# Altium PCB DIO_MCX_mezzanine.PCBDOC (part 2 of 2)
Units mm, origin at the board's own origin, x right, y up, seen from the top; angles counter-clockwise.
Board outline 64 x 100 mm, 4 copper layers (L1, P2, P3, L4), stack 1.571 mm thick; 133 components, 65 nets, 406 pads, 156 vias.
Unrouted connection lines stored in the file: 1.
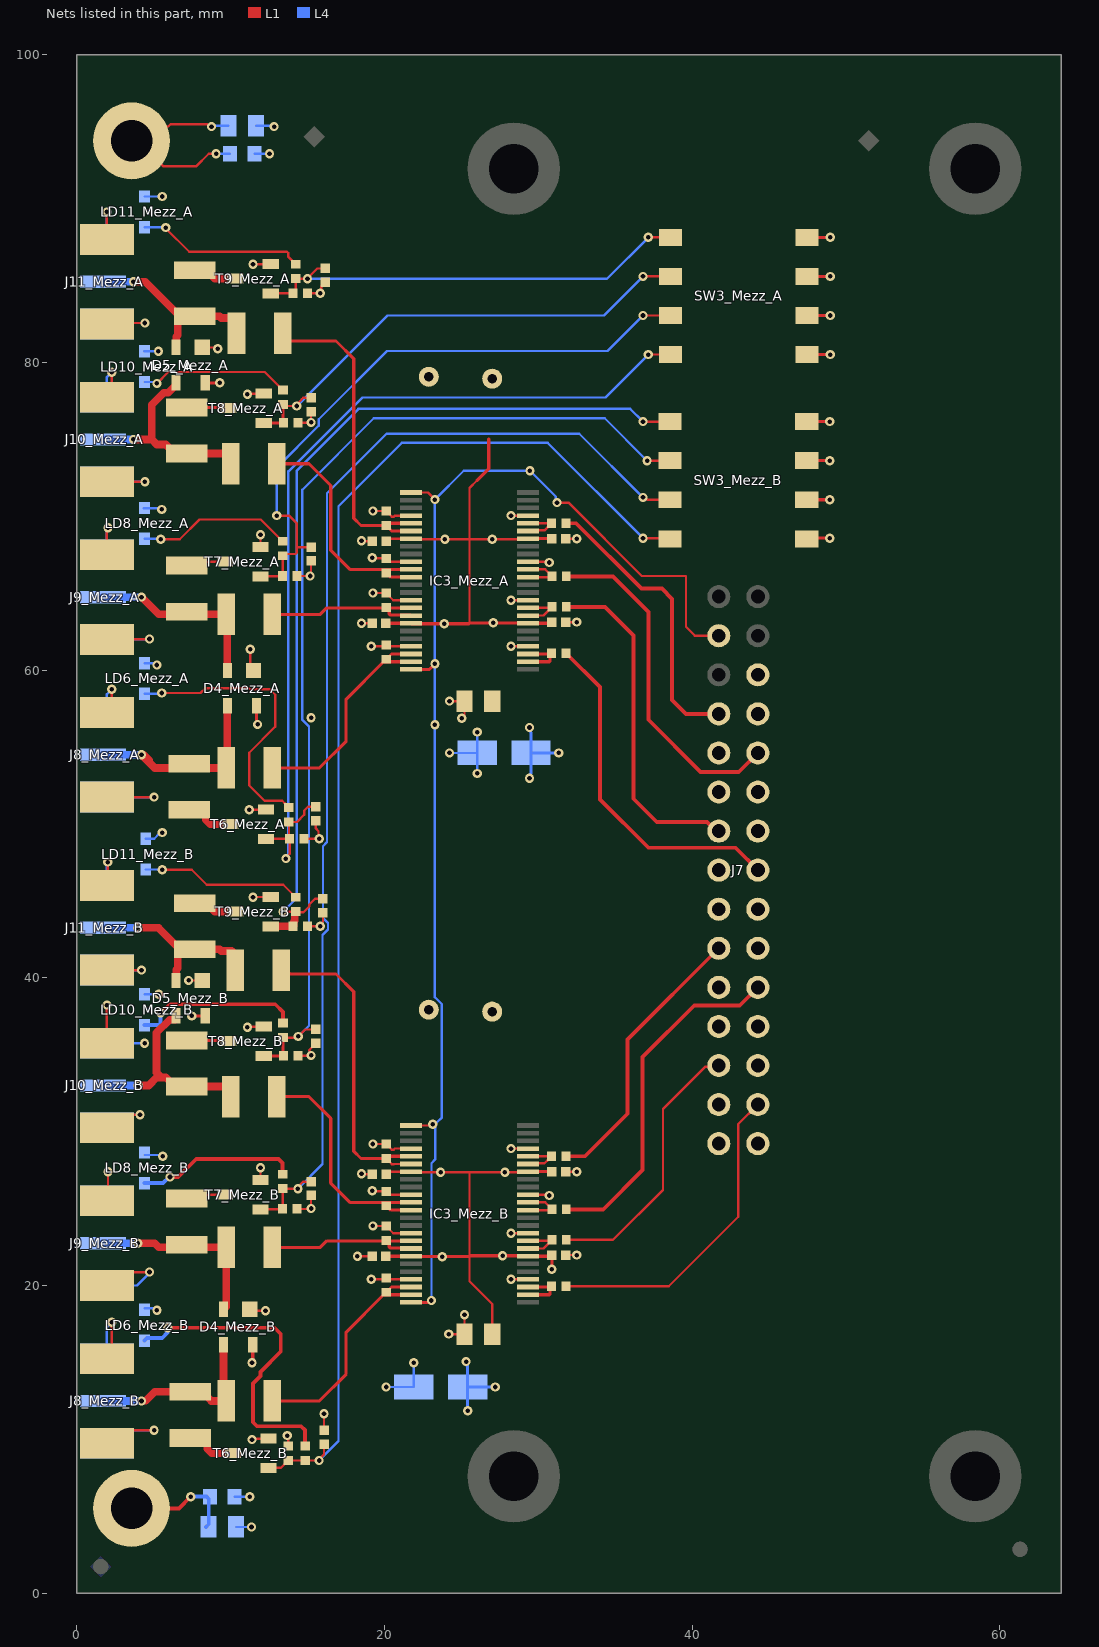
[diagram p4: the nets of this part, all layers, seen from the top]

## Via types
v1: diameter 0.6, hole 0.3, L1 to L4, tented both sides, 152 vias
v2: diameter 0.6, hole 0.3, L1 to L4, 4 vias

## Nets (pads, with @x,y where several pads share a name; then routed paths per layer and width w, separated by ;. In a path a pad name is that pad's centre, name@x,y a point inside that pad or via, vN(x,y) a via of type N, cw(c..) or ccw(c..) an arc to the next point about the centre after c; other vN are vias at no path point) (continued)
GND: B11_Mezz_A.1 B11_Mezz_B.1 C15_Mezz_A.1 C15_Mezz_B.1 C16_Mezz_A.1 C16_Mezz_B.1 C17_Mezz_A.1 C17_Mezz_B.1 C18_Mezz_A.1 C18_Mezz_B.1 C19_Mezz_A.2 C19_Mezz_B.2 C20_Mezz_A.1 C20_Mezz_B.1 C21.2 C22.2 C25_Mezz_A.1 C25_Mezz_B.1 C26_Mezz_A.1 C26_Mezz_B.1 C27_Mezz_A.1 C27_Mezz_B.1 C28_Mezz_A.1 C28_Mezz_B.1 D4_Mezz_A.1 D4_Mezz_B.1 D5_Mezz_A.1 D5_Mezz_B.1 IC3_Mezz_A.4 IC3_Mezz_A.10 IC3_Mezz_A.15 IC3_Mezz_A.21 IC3_Mezz_A.28 IC3_Mezz_A.34 IC3_Mezz_A.39 IC3_Mezz_A.45 IC3_Mezz_B.4 IC3_Mezz_B.10 IC3_Mezz_B.15 IC3_Mezz_B.21 IC3_Mezz_B.28 IC3_Mezz_B.34 IC3_Mezz_B.39 IC3_Mezz_B.45 J7.2 J7.4 J7.5 J7.7 J7.8 J7.10 J7.11 J7.13 J7.14 J7.16 J7.17 J7.19 J7.20 J7.22 J7.23 J8_Mezz_A.2 J8_Mezz_B.2 J9_Mezz_A.2 J9_Mezz_B.2 J10_Mezz_A.2 J10_Mezz_B.2 J11_Mezz_A.2 J11_Mezz_B.2 LD6_Mezz_A.1 LD6_Mezz_B.1 LD8_Mezz_A.1 LD8_Mezz_B.1 LD10_Mezz_A.1 LD10_Mezz_B.1 LD11_Mezz_A.1 LD11_Mezz_B.1 R39_Mezz_A.1 R39_Mezz_B.1 R43_Mezz_A.1 R43_Mezz_B.1 R48_Mezz_A.1 R48_Mezz_B.1 R51_Mezz_A.1 R51_Mezz_B.1 R56_Mezz_A.1 R56_Mezz_B.1 R57_Mezz_A.1 R57_Mezz_B.1 R58_Mezz_A.1 R58_Mezz_B.1 R59_Mezz_A.1 R59_Mezz_B.1 R60.1 R61.1 T6_Mezz_A.2 T6_Mezz_B.2 T7_Mezz_A.2 T7_Mezz_B.2 T8_Mezz_A.2 T8_Mezz_B.2 T9_Mezz_A.2 T9_Mezz_B.2 | length 159
  L1 w0.152: J10_Mezz_B.2@1.95,30.25 2.8,31.1 v1(4.1,31.1) ; J10_Mezz_B.2@1.95,36.6 v1(1.95,38.225) ; J11_Mezz_B.2@1.95,40.5 v1(4.203,40.5) ; J11_Mezz_B.2@1.95,46 2.007,46.057 v1(2.007,47.523) ; J9_Mezz_A.2@1.95,67.5 1.95,69.195 v1(2.019,69.264) ; J10_Mezz_A.2@1.95,77.75 2.269,78.069 v1(2.269,79.375) ; J11_Mezz_A.2@1.95,82.5 2.018,82.568 v1(4.419,82.568) ; J11_Mezz_A.2@1.95,88 v1(1.95,89.793) ; v1(2.019,27.4) 2.019,26.35 J9_Mezz_B.2@2.269,26.35 ; J8_Mezz_B.2@2.269,10.593 v1(5.019,10.593) ; J8_Mezz_B.2@2.269,16.093 v1(2.269,17.602) ; J9_Mezz_B.2@2.269,20.85 4.693,20.85 v1(4.719,20.876) ; J8_Mezz_A.2@2.269,51.75 v1(5.019,51.75) ; J8_Mezz_A.2@2.269,57.25 v1(2.269,58.759) ; J9_Mezz_A.2@2.269,62 4.693,62 v1(4.719,62.026) ; J10_Mezz_A.2@2.269,72.25 v1(4.419,72.25) ; v2(7.263,39.831) 7.269,39.825 D5_Mezz_B.1@8.15,39.825 ; D5_Mezz_A.1@8.15,80.981 9.069,80.981 v2(9.15,80.9) ; v1(11.083,36.781) 11.131,36.829 T8_Mezz_B.2@12.15,36.829 ; v1(11.083,77.931) 11.131,77.979 T8_Mezz_A.2@12.15,77.979 ; v1(11.2,50.926) 11.209,50.934 T6_Mezz_A.2@12.297,50.934 ; D4_Mezz_B.1@11.233,18.453 11.326,18.36 v2(12.263,18.36) ; v2(11.263,61.36) 11.263,60.203 D4_Mezz_A.1@11.485,59.981 ; v1(11.383,9.979) 11.447,10.043 T6_Mezz_B.2@12.453,10.043 ; v1(11.45,45.24) 11.46,45.25 T9_Mezz_B.2@12.6,45.25 ; v1(11.45,86.39) 11.46,86.4 T9_Mezz_A.2@12.6,86.4 ; T7_Mezz_B.2@11.933,26.85 v1(11.933,27.65) ; T7_Mezz_A.2@11.933,68 v1(11.933,68.8) ; v1(13.669,10.242) 13.731,10.18 R56_Mezz_B.1@13.731,9.563 ; R57_Mezz_B.1@14.314,24.973 15.197,24.973 v1(15.224,25) C27_Mezz_B.1@15.224,25.851 ; R57_Mezz_A.1@14.314,66.123 v1(15.161,66.123) 15.224,66.186 C27_Mezz_A.1@15.224,67.1 ; R58_Mezz_B.1@14.37,34.929 15.194,34.929 v1(15.224,34.959) 15.138,35.044 15.138,35.241 15.087,35.293 C26_Mezz_B.1@15.538,35.744 ; R58_Mezz_A.1@14.37,76.079 15.194,76.079 v1(15.224,76.109) C26_Mezz_A.1@15.224,76.813 ; R56_Mezz_A.1@14.77,49.034 v1(15.76,49.034) 15.71,49.085 15.71,49.534 15.538,49.706 C28_Mezz_A.1@15.538,50.216 ; R59_Mezz_B.1@14.995,43.35 v1(15.826,43.35) 15.826,43.471 15.997,43.642 C25_Mezz_B.1@15.997,44.237 ; R59_Mezz_A.1@14.995,84.5 v1(15.826,84.5) 15.876,84.55 15.876,84.893 15.908,84.925 15.908,84.982 C25_Mezz_A.1@16.142,85.216 ; v1@15.161,56.841 v1(15.224,56.904) ; C28_Mezz_B.1@16.067,10.587 v1(16.067,11.666) ; v1(18.237,21.9) C18_Mezz_B.1@19.19,21.9 ; v1(18.5,27.261) 18.53,27.231 C15_Mezz_B.1@19.2,27.231 ; v1(18.5,63.05) C18_Mezz_A.1@19.19,63.05 ; v1(18.5,68.411) 18.53,68.381 C15_Mezz_A.1@19.2,68.381 ; v1(19.14,20.41) 19.15,20.4 IC3_Mezz_B.45@21.725,20.4 ; v1(19.14,61.56) 19.15,61.55 IC3_Mezz_A.45@21.725,61.55 ; v1(19.2,26.164) 19.244,26.12 R48_Mezz_B.1@20.11,26.12 20.33,25.9 IC3_Mezz_B.34@21.725,25.9 ; v1(19.2,67.314) 19.244,67.27 R48_Mezz_A.1@20.11,67.27 20.33,67.05 IC3_Mezz_A.34@21.725,67.05 ; v1(19.244,23.87) R43_Mezz_B.1@20.1,23.87 20.57,23.4 IC3_Mezz_B.39@21.725,23.4 ; v1(19.244,29.194) R51_Mezz_B.1@20.11,29.194 20.478,28.826 20.605,28.826 20.679,28.9 IC3_Mezz_B.28@21.725,28.9 ; v1(19.244,65.02) R43_Mezz_A.1@20.1,65.02 20.57,64.55 IC3_Mezz_A.39@21.725,64.55 ; v1(19.244,70.344) R51_Mezz_A.1@20.11,70.344 20.478,69.976 20.605,69.976 20.679,70.05 IC3_Mezz_A.28@21.725,70.05 ; v1@24.182,16.839 C20_Mezz_B.1@25.2,16.839 v1(25.2,18.1) ; v1(24.223,57.989) C20_Mezz_A.1@25.2,57.989 25.2,57.089 25.023,56.912 v1(25.023,56.87) ; v1(28.225,20.4) IC3_Mezz_B.4@29.325,20.4 ; v1(28.225,23.4) IC3_Mezz_B.10@29.325,23.4 ; v1(28.225,28.9) IC3_Mezz_B.21@29.325,28.9 ; v1(28.225,61.55) IC3_Mezz_A.4@29.325,61.55 ; v1(28.225,64.55) IC3_Mezz_A.10@29.325,64.55 ; v1(28.225,70.05) IC3_Mezz_A.21@29.325,70.05 ; IC3_Mezz_B.15@29.325,25.9 30.66,25.9 v1(30.709,25.851) ; IC3_Mezz_A.15@29.325,67.05 30.66,67.05 v1(30.709,67.001) ; C16_Mezz_B.1@31.775,21.976 v1(32.5,21.976) ; C17_Mezz_B.1@31.775,27.4 v1(32.5,27.4) ; C16_Mezz_A.1@31.775,63.126 v1(32.5,63.126) ; C17_Mezz_A.1@31.775,68.55 v1(32.5,68.55)
  L4 w0.152: J8_Mezz_B.2@1.95,9.743 2.8,10.593 v1(5.019,10.593) ; J8_Mezz_B.2@1.95,15.243 1.95,17.283 v1(2.269,17.602) ; J9_Mezz_B.2@1.95,20 3.9,20 4.719,20.819 v1(4.719,20.876) ; J9_Mezz_B.2@1.95,25.5 2.019,25.569 v1(2.019,27.4) ; J10_Mezz_B.2@1.95,30.25 2.8,31.1 v1(4.1,31.1) ; J10_Mezz_B.2@1.95,35.75 v1(4.4,35.75) ; J11_Mezz_B.2@1.95,40.5 v1(4.203,40.5) ; J11_Mezz_B.2@1.95,46 1.95,47.467 v1(2.007,47.523) ; J8_Mezz_A.2@1.95,51.75 v1(5.019,51.75) ; J8_Mezz_A.2@1.95,57.25 1.95,58.44 v1(2.269,58.759) ; J9_Mezz_A.2@1.95,62 4.693,62 v1(4.719,62.026) ; J9_Mezz_A.2@1.95,67.5 1.95,69.195 v1(2.019,69.264) ; J10_Mezz_A.2@1.95,72.25 v1(4.419,72.25) ; J10_Mezz_A.2@1.95,77.75 1.95,79.056 v1(2.269,79.375) ; J11_Mezz_A.2@1.95,82.5 2.018,82.568 v1(4.419,82.568) ; J11_Mezz_A.2@1.95,88 v1(1.95,89.793) ; LD8_Mezz_A.1@4.343,70.537 5.432,70.537 v1(5.518,70.451) ; LD10_Mezz_A.1@4.374,80.732 v1(5.299,80.732) ; LD6_Mezz_B.1@4.4,18.519 4.954,18.519 5.079,18.394 v1(5.2,18.394) ; LD8_Mezz_B.1@4.4,28.486 5.489,28.486 v1(5.575,28.4) ; LD10_Mezz_B.1@4.4,38.925 v1(5.325,38.925) ; LD6_Mezz_A.1@4.4,60.459 4.954,60.459 5.079,60.334 v1(5.2,60.334) ; LD11_Mezz_A.1@4.4,90.793 v1(5.55,90.793) ; LD11_Mezz_B.1@4.475,49.043 5.025,49.043 5.327,49.346 5.331,49.346 5.429,49.443 v1(5.55,49.443) ; R60.1@10.25,6.268 v1(11.233,6.268) ; C21.2@10.35,4.3 v1(11.353,4.3) ; R61.1@11.55,93.568 v1(12.525,93.568) ; C22.2@11.65,95.388 12.774,95.388 v1(12.822,95.339) ; v1(20.103,13.4) C19_Mezz_B.2@21.903,13.4 v1(21.903,14.974) ; v1(24.223,54.62) C19_Mezz_A.2@26.023,54.62 ; v1(26.023,53.287) C19_Mezz_A.2@26.023,54.62 ; v1(26.023,55.977) C19_Mezz_A.2@26.023,54.62
  other v1: 24.181,16.84
IO1: J7.24 R46_Mezz_A.2 | length 18.9
  L1 w0.254: R46_Mezz_A.2@31.795,69.55 32.441,69.55 36.694,65.297 38.03,65.297 38.687,64.64 38.687,58.067 39.594,57.16 J7.24@41.73,57.16
IO3: J7.21 R44_Mezz_A.2 | length 22.3
  L1 w0.254: R44_Mezz_A.2@31.815,66.1 34.843,66.1 37.151,63.792 37.151,56.779 40.552,53.377 43.027,53.377 J7.21@44.27,54.62
IO5: J7.18 R40_Mezz_A.2 | length 22.2
  L1 w0.254: R40_Mezz_A.2@31.815,64.116 34.328,64.116 36.197,62.247 36.197,51.639 37.697,50.139 40.958,50.139 41.557,49.54 J7.18@41.73,49.54
IO7: J7.15 R37_Mezz_A.2 | length 22.6
  L1 w0.254: R37_Mezz_A.2@31.795,61.1 34,58.895 34,51.605 37.151,48.454 42.815,48.454 J7.15@44.27,47
IO9: J7.12 R46_Mezz_B.2 | length 18.4
  L1 w0.254: R46_Mezz_B.2@31.795,28.4 33.023,28.4 35.789,31.166 35.789,35.979 J7.12@41.73,41.92
IO11: J7.9 R44_Mezz_B.2 | length 22.7
  L1 w0.254: R44_Mezz_B.2@31.815,24.95 34.221,24.95 36.779,27.508 36.779,34.849 40.136,38.205 43.095,38.205 J7.9@44.27,39.38
IO13: J7.6 R40_Mezz_B.2 | length 17.7
  L1 w0.152: R40_Mezz_B.2@31.815,22.966 34.853,22.966 38.1,26.213 38.1,31.471 40.841,34.211 41.641,34.211 J7.6@41.73,34.3
IO15: J7.3 R37_Mezz_B.2 | length 20.9
  L1 w0.152: R37_Mezz_B.2@31.795,19.95 38.478,19.95 43,24.472 43,30.49 J7.3@44.27,31.76
IOA_Mezz_A: D5_Mezz_A.2 J11_Mezz_A.1 R49_Mezz_A.1 R50_Mezz_A.2 | length 12.6
  L1 w0.5: v1(3.676,85.25) 4.45,85.25 R50_Mezz_A.2@6.7,83 ; D5_Mezz_A.2@6.45,80.981 6.45,81.681 6.55,81.781 6.55,82.85 R50_Mezz_A.2@6.7,83 ; R49_Mezz_A.1@10.374,81.9 10.374,82.568 10.049,82.893 9.381,82.893 9.274,83 R50_Mezz_A.2@7.65,83 R50_Mezz_A.2@6.7,83
  L4 w0.5: J11_Mezz_A.1@1.7,85.25 v1(3.676,85.25)
IOA_Mezz_B: D5_Mezz_B.2 J11_Mezz_B.1 R49_Mezz_B.1 R50_Mezz_B.2 | length 12.2
  L1 w0.5: v1(3.95,43.25) 5.3,43.25 R50_Mezz_B.2@6.7,41.85 ; D5_Mezz_B.2@6.45,39.825 6.45,40.525 6.55,40.625 6.55,41.7 R50_Mezz_B.2@6.7,41.85 ; R49_Mezz_B.1@10.374,40.75 10.374,41.418 10.049,41.743 9.381,41.743 9.274,41.85 R50_Mezz_B.2@6.7,41.85
  L4 w0.5: J11_Mezz_B.1@1.7,43.25 v1(3.95,43.25)
IOB_Mezz_A: D5_Mezz_A.3 J10_Mezz_A.1 R45_Mezz_A.1 R47_Mezz_A.2 | length 13.7
  L1 w0.5: v1(3.676,75) 4.873,75 ; D5_Mezz_A.3@6.45,78.681 6.45,78.547 5.937,78.033 5.644,78.033 4.873,77.263 4.873,75 ; R45_Mezz_A.1@10,73.423 10,73.756 9.675,74.081 R47_Mezz_A.2@7.15,74.081 6.375,74.081 5.783,74.673 5.2,74.673 4.873,75
  L4 w0.5: J10_Mezz_A.1@1.7,75 v1(3.676,75)
IOB_Mezz_B: D5_Mezz_B.3 J10_Mezz_B.1 R45_Mezz_B.1 R47_Mezz_B.2 | length 14.1
  L1 w0.5: v1(3.987,33) 4.677,33 5.2,33.523 5.491,33.523 ; D5_Mezz_B.3@6.45,37.525 6.45,37.325 6.4,37.275 6.028,37.275 5.17,36.418 5.17,33.844 5.491,33.523 ; R45_Mezz_B.1@10,32.273 10,32.606 9.675,32.931 6.375,32.931 5.783,33.523 5.491,33.523
  L4 w0.5: J10_Mezz_B.1@1.7,33 v1(3.987,33)
IOC_Mezz_A: D4_Mezz_A.2 J9_Mezz_A.1 R41_Mezz_A.1 R42_Mezz_A.2 | length 12.1
  L1 w0.5: v1(4.203,64.75) 5.327,63.626 R41_Mezz_A.1@9.7,63.626 9.785,63.542 D4_Mezz_A.2@9.785,59.981
  L4 w0.5: J9_Mezz_A.1@1.7,64.75 v1(4.203,64.75)
IOC_Mezz_B: D4_Mezz_B.2 J9_Mezz_B.1 R41_Mezz_B.1 R42_Mezz_B.2 | length 12.2
  L1 w0.5: v1(3.95,22.75) 5.053,22.75 5.327,22.476 R41_Mezz_B.1@9.7,22.476 9.7,18.62 D4_Mezz_B.2@9.533,18.453
  L4 w0.5: J9_Mezz_B.1@1.7,22.75 v1(3.95,22.75)
IOD_Mezz_A: D4_Mezz_A.3 J8_Mezz_A.1 R36_Mezz_A.1 R38_Mezz_A.2 | length 13.2
  L1 w0.5: 4.7,54.143 4.343,54.5 v1(4.2,54.5) 5.057,53.643 R36_Mezz_A.1@9.7,53.643 9.785,53.727 D4_Mezz_A.3@9.785,57.681 ; R38_Mezz_A.2@7.15,54.143 R38_Mezz_A.2@7.29,54.143
  L4 w0.5: J8_Mezz_A.1@1.7,54.5 v1(4.2,54.5)
IOD_Mezz_B: D4_Mezz_B.3 J8_Mezz_B.1 R36_Mezz_B.1 R38_Mezz_B.2 | length 12.3
  L1 w0.5: v1(4.2,12.493) 4.219,12.512 4.483,12.512 5.053,13.082 7.06,13.082 7.15,12.993 7.276,12.993 R38_Mezz_B.2@7.366,13.082 8.141,13.082 8.731,12.493 R36_Mezz_B.1@9.7,12.493 9.533,12.66 D4_Mezz_B.3@9.533,16.153
  L4 w0.5: J8_Mezz_B.1@1.7,12.493 v1(4.2,12.493)
LEDA_Mezz_A: LD6_Mezz_A.2 R52_Mezz_A.2 | length 18.6
  L1 w0.152: v1(5.518,58.519) 8.038,58.519 8.35,58.831 11.191,58.831 11.263,58.759 12.54,58.759 12.896,58.403 12.896,56.333 11.2,54.637 11.2,52.503 12.193,51.511 13.347,51.511 13.553,51.304 13.553,51.284 13.767,51.071 R52_Mezz_A.2@13.787,51.071
  L4 w0.152: LD6_Mezz_A.2@4.4,58.459 5.459,58.459 v1(5.518,58.519)
LEDA_Mezz_B: LD6_Mezz_B.2 R52_Mezz_B.2 | length 20.7
  L1 w0.254: v1(5.9,17.25) 12.836,17.25 13.251,16.834 13.251,15.703 11.933,14.384 11.933,14.123 11.447,13.637 11.447,11.108 11.709,10.846 14.581,10.846 14.834,10.593 R52_Mezz_B.2@14.834,9.563
  L4 w0.254: LD6_Mezz_B.2@4.4,16.414 4.568,16.583 5.55,16.583 5.9,16.933 v1(5.9,17.25)
LEDB_Mezz_A: LD8_Mezz_A.2 R53_Mezz_A.2 | length 10.1
  L1 w0.152: v1(5.459,68.507) 6.681,68.507 7.974,69.8 11.955,69.8 R53_Mezz_A.2@13.374,68.381
  L4 w0.152: LD8_Mezz_A.2@4.4,68.537 5.429,68.537 v1(5.459,68.507)
LEDB_Mezz_B: LD8_Mezz_B.2 R53_Mezz_B.2 | length 10.5
  L1 w0.254: v1(6.05,27.05) 6.586,27.05 7.76,28.224 13.108,28.224 13.374,27.958 R53_Mezz_B.2@13.374,27.231
  L4 w0.254: LD8_Mezz_B.2@4.4,26.65 5.608,26.65 6.008,27.05 v1(6.05,27.05)
LEDC_Mezz_A: LD10_Mezz_A.2 R54_Mezz_A.2 | length 9.5
  L1 w0.152: v1(5.2,78.641) 5.943,79.384 12.217,79.384 R54_Mezz_A.2@13.4,78.201
  L4 w0.152: LD10_Mezz_A.2@4.4,78.732 v1@4.95,78.732
LEDC_Mezz_B: LD10_Mezz_B.2 R54_Mezz_B.2 | length 10.9
  L1 w0.254: v1(5.429,37.726) 5.492,37.726 6.045,38.279 12.896,38.279 13.4,37.775 R54_Mezz_B.2@13.4,37.051
  L4 w0.254: LD10_Mezz_B.2@4.4,36.925 5.304,36.925 5.429,37.049 v1(5.429,37.726)
LEDD_Mezz_A: LD11_Mezz_A.2 R55_Mezz_A.2 | length 11
  L1 w0.152: v1(5.783,88.773) 5.783,88.722 7.305,87.2 13.661,87.2 13.75,87.111 13.75,86.864 R55_Mezz_A.2@14.224,86.39
  L4 w0.152: LD11_Mezz_A.2@4.4,88.793 5.763,88.793 v1(5.783,88.773)
LEDD_Mezz_B: LD11_Mezz_B.2 R55_Mezz_B.2 | length 10.5
  L1 w0.152: v1(5.55,47.027) 7.47,47.027 8.447,46.05 13.414,46.05 R55_Mezz_B.2@14.224,45.24
  L4 w0.152: LD11_Mezz_B.2@4.475,47.043 5.534,47.043 v1(5.55,47.027)
Mezz_Buf_OEn: IC3_Mezz_A.25 IC3_Mezz_A.48 IC3_Mezz_B.25 IC3_Mezz_B.48 J7.28 | length 85
  L1 w0.152: IC3_Mezz_B.25@21.725,30.4 23.228,30.4 v1(23.14,30.488) ; IC3_Mezz_A.25@21.725,71.55 22.825,71.55 23.275,71.1 v1(23.275,71.092) ; v1(23.049,19.024) v1@23.173,19.148 ; v1@23.173,60.298 23.275,60.4 v1(23.275,60.422) ; v1(31.209,70.895) 31.952,70.895 36.724,66.123 39.594,66.123 39.594,62.823 40.177,62.24 J7.28@41.73,62.24
  L1 w0.203: IC3_Mezz_B.48@21.725,18.9 22.925,18.9 v1(23.049,19.024) ; IC3_Mezz_A.48@21.725,60.05 22.925,60.05 v1@23.173,60.298
  L4 w0.152: v1(23.049,19.024) 23.049,27.95 23.288,28.188 23.288,30.34 23.214,30.414 23.214,30.441 23.347,30.574 23.373,30.574 23.728,30.928 23.728,38.278 23.275,38.732 v1(23.275,56.454) v1(23.275,60.422) v1(23.275,71.092) 25.144,72.961 v1(29.45,72.961) 31.141,71.27 31.141,70.964 v1(31.209,70.895)
NetB15_1: B15.1 C21.1 R60.2 | length 7.3
  L1 w0.254: B15.1@3.556,5.512 6.643,5.512 v1(7.4,6.268)
  L4 w0.254: v1(7.4,6.268) 8.426,6.268 8.575,6.12 8.575,4.475 C21.1@8.4,4.3
NetB16_1: B16.1 C22.1 R61.2 | length 14.3
  L1 w0.152: v1(8.75,95.339) 8.629,95.339 8.47,95.499 6.099,95.499 5.94,95.339 4.484,95.339 B16.1@3.556,94.412 3.965,94.412 5.627,92.75 7.75,92.75 8.568,93.568 v1(9.05,93.568)
  L4 w0.152: v1(8.75,95.339) 8.799,95.388 C22.1@9.85,95.388 ; v1(9.05,93.568) R61.2@9.95,93.568
NetIC3_Mezz_A_2: IC3_Mezz_A.2 IC3_Mezz_A.3 R37_Mezz_A.1 | length 3.5
  L1 w0.203: IC3_Mezz_A.2@29.325,60.55 30.709,60.55 30.763,60.604 30.763,61.008 R37_Mezz_A.1@30.805,61.05 ; IC3_Mezz_A.3@29.325,61.05 R37_Mezz_A.1@30.805,61.05 ; R37_Mezz_A.1@30.855,61.1 R37_Mezz_A.1@30.805,61.05
NetIC3_Mezz_A_8: IC3_Mezz_A.8 IC3_Mezz_A.9 R40_Mezz_A.1 | length 3.4
  L1 w0.152: IC3_Mezz_A.8@29.325,63.55 30.329,63.55 30.661,63.882 30.875,64.096 R40_Mezz_A.1@30.875,64.116 30.809,64.05 IC3_Mezz_A.9@29.325,64.05
NetIC3_Mezz_A_13: IC3_Mezz_A.13 IC3_Mezz_A.14 R44_Mezz_A.1 | length 3.3
  L1 w0.152: IC3_Mezz_A.13@29.325,66.05 30.825,66.05 R44_Mezz_A.1@30.875,66.1 30.875,66.12 30.661,66.334 30.445,66.55 IC3_Mezz_A.14@29.325,66.55
NetIC3_Mezz_A_19: IC3_Mezz_A.19 IC3_Mezz_A.20 R46_Mezz_A.1 | length 3.3
  L1 w0.152: IC3_Mezz_A.19@29.325,69.05 29.365,69.09 30.395,69.09 30.621,69.316 30.641,69.316 30.855,69.53 R46_Mezz_A.1@30.855,69.55 IC3_Mezz_A.20@29.325,69.55
NetIC3_Mezz_A_29: IC3_Mezz_A.29 IC3_Mezz_A.30 R49_Mezz_A.2 R51_Mezz_A.2 | length 21.4
  L1 w0.203: R49_Mezz_A.2@13.374,81.9 13.874,81.4 16.849,81.4 18,80.249 18,69.874 18.47,69.404 R51_Mezz_A.2@20.11,69.404 ; IC3_Mezz_A.30@21.725,69.05 20.464,69.05 20.318,69.196 20.318,69.216 20.13,69.404 R51_Mezz_A.2@20.11,69.404 ; IC3_Mezz_A.29@21.725,69.55 20.256,69.55 R51_Mezz_A.2@20.11,69.404
NetIC3_Mezz_A_35: IC3_Mezz_A.35 IC3_Mezz_A.36 R45_Mezz_A.2 R48_Mezz_A.2 | length 15.8
  L1 w0.203: R45_Mezz_A.2@13,73.423 15.087,73.423 16.5,72.01 16.5,67.8 17.75,66.55 IC3_Mezz_A.35@21.725,66.55 ; R48_Mezz_A.2@20.11,66.33 20.13,66.33 20.41,66.05 IC3_Mezz_A.36@21.725,66.05
NetIC3_Mezz_A_40: IC3_Mezz_A.40 IC3_Mezz_A.41 R41_Mezz_A.2 R43_Mezz_A.2 | length 11.2
  L1 w0.203: R41_Mezz_A.2@12.7,63.626 15.826,63.626 16.25,64.05 R43_Mezz_A.2@20.15,64.05 ; R43_Mezz_A.2@20.1,64.08 20.12,64.08 R43_Mezz_A.2@20.15,64.05 ; IC3_Mezz_A.41@21.725,63.55 21.686,63.589 20.36,63.589 20.308,63.64 20.308,63.892 R43_Mezz_A.2@20.15,64.05 ; IC3_Mezz_A.40@21.725,64.05 R43_Mezz_A.2@20.15,64.05
NetIC3_Mezz_A_46: IC3_Mezz_A.46 IC3_Mezz_A.47 R36_Mezz_A.2 R39_Mezz_A.2 | length 15.3
  L1 w0.203: R36_Mezz_A.2@12.7,53.643 15.76,53.643 17.5,55.383 17.5,58.119 19.931,60.55 IC3_Mezz_A.47@21.725,60.55 ; R39_Mezz_A.2@20.11,60.709 20.13,60.709 20.318,60.897 20.318,60.917 20.451,61.05 IC3_Mezz_A.46@21.725,61.05
NetIC3_Mezz_B_2: IC3_Mezz_B.2 IC3_Mezz_B.3 R37_Mezz_B.1 | length 3.5
  L1 w0.203: IC3_Mezz_B.2@29.325,19.4 30.709,19.4 30.763,19.454 30.763,19.858 R37_Mezz_B.1@30.805,19.9 ; IC3_Mezz_B.3@29.325,19.9 R37_Mezz_B.1@30.805,19.9 ; R37_Mezz_B.1@30.855,19.95 R37_Mezz_B.1@30.805,19.9
NetIC3_Mezz_B_8: IC3_Mezz_B.8 IC3_Mezz_B.9 R40_Mezz_B.1 | length 3.4
  L1 w0.152: IC3_Mezz_B.8@29.325,22.4 30.329,22.4 30.661,22.732 30.875,22.946 R40_Mezz_B.1@30.875,22.966 30.809,22.9 IC3_Mezz_B.9@29.325,22.9
NetIC3_Mezz_B_13: IC3_Mezz_B.13 IC3_Mezz_B.14 R44_Mezz_B.1 | length 3.3
  L1 w0.152: IC3_Mezz_B.13@29.325,24.9 30.825,24.9 R44_Mezz_B.1@30.875,24.95 30.875,24.97 30.661,25.184 30.445,25.4 IC3_Mezz_B.14@29.325,25.4
NetIC3_Mezz_B_19: IC3_Mezz_B.19 IC3_Mezz_B.20 R46_Mezz_B.1 | length 3.3
  L1 w0.152: IC3_Mezz_B.19@29.325,27.9 29.365,27.94 30.395,27.94 30.621,28.166 30.641,28.166 30.855,28.38 R46_Mezz_B.1@30.855,28.4 IC3_Mezz_B.20@29.325,28.4
NetIC3_Mezz_B_29: IC3_Mezz_B.29 IC3_Mezz_B.30 R49_Mezz_B.2 R51_Mezz_B.2 | length 21.4
  L1 w0.152: R51_Mezz_B.2@20.11,28.254 20.478,27.886 20.605,27.886 20.619,27.9 IC3_Mezz_B.30@21.725,27.9
  L1 w0.203: R49_Mezz_B.2@13.374,40.75 13.874,40.25 16.849,40.25 18,39.099 18,28.724 18.47,28.254 R51_Mezz_B.2@20.11,28.254 20.256,28.4 IC3_Mezz_B.29@21.725,28.4
NetIC3_Mezz_B_35: IC3_Mezz_B.35 IC3_Mezz_B.36 R45_Mezz_B.2 R48_Mezz_B.2 | length 15.8
  L1 w0.203: R45_Mezz_B.2@13,32.273 15.087,32.273 16.5,30.86 16.5,26.65 17.75,25.4 IC3_Mezz_B.35@21.725,25.4 ; R48_Mezz_B.2@20.11,25.18 20.13,25.18 20.41,24.9 IC3_Mezz_B.36@21.725,24.9
NetIC3_Mezz_B_40: IC3_Mezz_B.40 IC3_Mezz_B.41 R41_Mezz_B.2 R43_Mezz_B.2 | length 11.2
  L1 w0.203: R41_Mezz_B.2@12.7,22.476 15.826,22.476 16.25,22.9 R43_Mezz_B.2@20.15,22.9 ; R43_Mezz_B.2@20.1,22.93 20.12,22.93 R43_Mezz_B.2@20.15,22.9 ; IC3_Mezz_B.41@21.725,22.4 21.686,22.439 20.36,22.439 20.308,22.49 20.308,22.742 R43_Mezz_B.2@20.15,22.9 ; IC3_Mezz_B.40@21.725,22.9 R43_Mezz_B.2@20.15,22.9
NetIC3_Mezz_B_46: IC3_Mezz_B.46 IC3_Mezz_B.47 R36_Mezz_B.2 R39_Mezz_B.2 | length 15.3
  L1 w0.203: R36_Mezz_B.2@12.7,12.493 15.76,12.493 17.5,14.233 17.5,16.969 19.931,19.4 IC3_Mezz_B.47@21.725,19.4 ; R39_Mezz_B.2@20.11,19.559 20.13,19.559 20.318,19.747 20.318,19.767 20.451,19.9 IC3_Mezz_B.46@21.725,19.9
NetR38_Mezz_A_1: R38_Mezz_A.1 T6_Mezz_A.3 | length 3.3
  L1 w0.5: R38_Mezz_A.1@7.29,50.926 8.065,50.926 8.39,50.601 8.39,50.277 8.683,49.984 T6_Mezz_A.3@9.997,49.984
NetR38_Mezz_B_1: R38_Mezz_B.1 T6_Mezz_B.3 | length 3.4
  L1 w0.5: R38_Mezz_B.1@7.366,10.082 8.141,10.082 8.466,9.757 8.466,9.386 8.759,9.093 T6_Mezz_B.3@10.153,9.093
NetR42_Mezz_A_1: R42_Mezz_A.1 T7_Mezz_A.3 | length 2.6
  L1 w0.152: R42_Mezz_A.1@7.15,66.8 7.4,67.05 T7_Mezz_A.3@9.633,67.05
NetR42_Mezz_B_1: R42_Mezz_B.1 T7_Mezz_B.3 | length 2.6
  L1 w0.152: R42_Mezz_B.1@7.15,25.65 7.4,25.9 T7_Mezz_B.3@9.633,25.9
NetR47_Mezz_A_1: R47_Mezz_A.1 T8_Mezz_A.3 | length 2.7
  L1 w0.203: R47_Mezz_A.1@7.15,77.081 9.798,77.081 T8_Mezz_A.3@9.85,77.029
NetR47_Mezz_B_1: R47_Mezz_B.1 T8_Mezz_B.3 | length 2.7
  L1 w0.203: R47_Mezz_B.1@7.15,35.931 9.798,35.931 T8_Mezz_B.3@9.85,35.879
NetR50_Mezz_A_1: R50_Mezz_A.1 T9_Mezz_A.3 | length 2.9
  L1 w0.5: R50_Mezz_A.1@7.65,86 8.425,86 8.975,85.45 T9_Mezz_A.3@10.3,85.45
NetR50_Mezz_B_1: R50_Mezz_B.1 T9_Mezz_B.3 | length 2.9
  L1 w0.5: R50_Mezz_B.1@7.65,44.85 8.425,44.85 8.975,44.3 T9_Mezz_B.3@10.3,44.3
P3V3: B2_Mezz_A.1 B2_Mezz_B.1 C15_Mezz_A.2 C15_Mezz_B.2 C16_Mezz_A.2 C16_Mezz_B.2 C17_Mezz_A.2 C17_Mezz_B.2 C18_Mezz_A.2 C18_Mezz_B.2 C19_Mezz_A.1 C19_Mezz_B.1 C20_Mezz_A.2 C20_Mezz_B.2 D4_Mezz_A.4 D4_Mezz_B.4 D5_Mezz_A.4 D5_Mezz_B.4 IC3_Mezz_A.7 IC3_Mezz_A.18 IC3_Mezz_A.31 IC3_Mezz_A.42 IC3_Mezz_B.7 IC3_Mezz_B.18 IC3_Mezz_B.31 IC3_Mezz_B.42 J7.1 J7.25 SW3_Mezz_A.1 SW3_Mezz_A.2 SW3_Mezz_A.3 SW3_Mezz_A.4 SW3_Mezz_B.1 SW3_Mezz_B.2 SW3_Mezz_B.3 SW3_Mezz_B.4 | length 94.5
  L1 w0.152: C15_Mezz_B.2@20.1,27.231 20.269,27.4 IC3_Mezz_B.31@21.725,27.4 21.768,27.357 25.525,27.357 ; C15_Mezz_A.2@20.1,68.381 20.269,68.55 IC3_Mezz_A.31@21.725,68.55 21.768,68.507 25.525,68.507 ; 25.496,21.871 25.525,21.9 ; 25.496,63.021 25.525,63.05 25.525,68.507 ; 26.025,72.35 25.525,71.85 25.525,68.507 ; C20_Mezz_B.2@27,16.839 27,18.8 25.525,20.275 25.525,21.9 ; IC3_Mezz_B.18@29.325,27.4 29.282,27.357 25.525,27.357 ; IC3_Mezz_A.18@29.325,68.55 29.282,68.507 25.525,68.507 ; 25.525,21.9 25.525,27.357
  L1 w0.203: v1(7.47,37.525) D5_Mezz_B.4@8.35,37.525 ; D5_Mezz_A.4@8.35,78.681 v1(9.285,78.681) ; v1(11.383,14.974) 11.433,15.024 D4_Mezz_B.4@11.433,16.153 ; D4_Mezz_A.4@11.685,57.681 11.685,56.54 v1(11.75,56.474) ; C18_Mezz_B.2@20.09,21.9 IC3_Mezz_B.42@21.725,21.9 21.754,21.871 25.496,21.871 ; C18_Mezz_A.2@20.09,63.05 IC3_Mezz_A.42@21.725,63.05 21.754,63.021 25.496,63.021 ; 25.525,21.9 25.554,21.929 29.296,21.929 IC3_Mezz_B.7@29.325,21.9 30.799,21.9 C16_Mezz_B.2@30.875,21.976 v1(30.875,21.05) ; 25.525,63.05 25.554,63.079 29.296,63.079 IC3_Mezz_A.7@29.325,63.05 30.799,63.05 C16_Mezz_A.2@30.875,63.126 ; 26.025,72.35 26.775,73.1 26.775,75.023 ; IC3_Mezz_B.18@29.325,27.4 C17_Mezz_B.2@30.875,27.4 ; IC3_Mezz_A.18@29.325,68.55 C17_Mezz_A.2@30.875,68.55 ; SW3_Mezz_B.1@47.45,68.54 47.493,68.583 v1(48.949,68.583) ; SW3_Mezz_B.2@47.45,71.08 v1(48.949,71.08) ; SW3_Mezz_B.3@47.45,73.62 v1(48.949,73.62) ; SW3_Mezz_B.4@47.45,76.16 v1(48.949,76.16) ; SW3_Mezz_A.1@47.478,80.518 v1(48.976,80.518) ; SW3_Mezz_A.2@47.478,83.058 v1(48.976,83.058) ; SW3_Mezz_A.3@47.478,85.598 v1(48.976,85.598) ; SW3_Mezz_A.4@47.478,88.138 v1(48.976,88.138)
  L4 w0.203: v1(25.303,15.05) 25.379,14.974 25.379,14.757 25.403,14.732 C19_Mezz_B.1@25.403,13.4 ; v1(25.403,11.85) C19_Mezz_B.1@25.403,13.4 ; v1(27.203,13.4) C19_Mezz_B.1@25.403,13.4 ; v1(29.423,52.97) 29.499,53.046 29.499,53.263 29.523,53.287 C19_Mezz_A.1@29.523,54.62 ; v1(29.423,56.27) 29.499,56.194 29.499,55.977 29.523,55.953 C19_Mezz_A.1@29.523,54.62 ; v1(31.323,54.62) C19_Mezz_A.1@29.523,54.62
  other v1: 23.753,21.871 27.677,21.929 23.646,27.357 27.825,27.357 23.875,63.021 27.065,63.079 23.925,68.507 27,68.507
TERM_IOA_Mezz_A: C28_Mezz_A.2 R52_Mezz_A.1 R56_Mezz_A.2 SW3_Mezz_A.8 T6_Mezz_A.1 | length 59.6
  L1 w0.152: T6_Mezz_A.1@12.297,49.034 R56_Mezz_A.2@13.83,49.034 ; v1(13.589,47.752) 13.589,47.824 13.83,48.065 R56_Mezz_A.2@13.83,49.034 ; C28_Mezz_A.2@15.538,51.116 15.028,51.116 14.77,50.857 14.77,50.601 14.3,50.131 R52_Mezz_A.1@13.787,50.131 13.787,49.078 R56_Mezz_A.2@13.83,49.034 ; v1(37.151,80.518) SW3_Mezz_A.8@38.578,80.518
  L4 w0.152: v1(13.589,47.752) 13.589,47.873 13.75,48.034 13.75,72.923 18.558,77.731 34.364,77.731 v1(37.151,80.518)
TERM_IOA_Mezz_B: C28_Mezz_B.2 R52_Mezz_B.1 R56_Mezz_B.2 SW3_Mezz_B.8 T6_Mezz_B.1 | length 93.1
  L1 w0.152: T6_Mezz_B.1@12.453,8.143 13.251,8.143 R56_Mezz_B.2@13.731,8.623 R52_Mezz_B.1@14.834,8.623 v1(15.745,8.623) 15.745,8.687 16.067,9.009 C28_Mezz_B.2@16.067,9.687 ; v1(36.8,68.583) 38.507,68.583 SW3_Mezz_B.8@38.55,68.54
  L4 w0.152: v1(15.745,8.623) 17.003,9.881 17.003,70.653 21.13,74.779 30.604,74.779 v1(36.8,68.583)
TERM_IOB_Mezz_A: C27_Mezz_A.2 R53_Mezz_A.1 R57_Mezz_A.2 SW3_Mezz_A.7 T7_Mezz_A.1 | length 41.1
  L1 w0.152: T7_Mezz_A.1@11.933,66.1 13.351,66.1 R57_Mezz_A.2@13.374,66.123 R53_Mezz_A.1@13.374,67.441 13.483,67.55 14.211,67.55 14.3,67.639 14.3,68 ; v1(13,70.05) 13.787,70.05 14.3,69.537 14.3,68 ; C27_Mezz_A.2@15.224,68 14.3,68 ; v1(36.8,83.058) SW3_Mezz_A.7@38.578,83.058
  L4 w0.152: v1(13,70.05) 13,73.173 15.727,75.9 15.727,76.308 20.169,80.75 34.492,80.75 v1(36.8,83.058)
TERM_IOB_Mezz_B: C27_Mezz_B.2 R53_Mezz_B.1 R57_Mezz_B.2 SW3_Mezz_B.7 T7_Mezz_B.1 | length 76.8
  L1 w0.152: T7_Mezz_B.1@11.933,24.95 13.351,24.95 R57_Mezz_B.2@13.374,24.973 R53_Mezz_B.1@13.374,26.291 v1(14.37,26.291) 14.37,26.407 14.714,26.751 C27_Mezz_B.2@15.224,26.751 ; v1(36.8,71.23) 36.921,71.23 37.071,71.08 SW3_Mezz_B.7@38.55,71.08
  L4 w0.152: v1(14.37,26.291) 15.971,27.892 15.971,42.783 16.329,43.142 16.329,43.558 15.997,43.891 15.997,48.56 16.263,48.826 16.263,71.504 20.13,75.371 32.659,75.371 v1(36.8,71.23)
TERM_IOC_Mezz_A: C26_Mezz_A.2 R54_Mezz_A.1 R58_Mezz_A.2 SW3_Mezz_A.6 T8_Mezz_A.1 | length 32.4
  L1 w0.152: R54_Mezz_A.1@13.4,77.261 13.488,77.173 v1(14.3,77.173) 14.3,77.278 14.601,77.579 14.601,77.6 14.714,77.713 C26_Mezz_A.2@15.224,77.713 ; v1(36.8,85.598) SW3_Mezz_A.6@38.578,85.598
  L1 w0.203: T8_Mezz_A.1@12.15,76.079 R58_Mezz_A.2@13.43,76.079 13.4,76.109 R54_Mezz_A.1@13.4,77.261
  L4 w0.152: v1(14.3,77.173) 20.185,83.058 34.26,83.058 v1(36.8,85.598)
TERM_IOC_Mezz_B: C26_Mezz_B.2 R54_Mezz_B.1 R58_Mezz_B.2 SW3_Mezz_B.6 T8_Mezz_B.1 | length 67.8
  L1 w0.152: R54_Mezz_B.1@13.4,36.111 14.31,36.111 v1(14.392,36.193) 14.843,36.644 C26_Mezz_B.2@15.538,36.644 ; v1(37.071,73.62) SW3_Mezz_B.6@38.55,73.62
  L1 w0.203: T8_Mezz_B.1@12.15,34.929 R58_Mezz_B.2@13.43,34.929 13.4,34.959 R54_Mezz_B.1@13.4,36.111
  L4 w0.152: v1(14.392,36.193) 15.087,36.888 15.087,56.329 14.658,56.758 14.658,71.733 19.304,76.379 34.312,76.379 v1(37.071,73.62)
TERM_IOD_Mezz_A: C25_Mezz_A.2 R55_Mezz_A.1 R59_Mezz_A.2 SW3_Mezz_A.5 T9_Mezz_A.1 | length 29.4
  L1 w0.152: T9_Mezz_A.1@12.6,84.5 R59_Mezz_A.2@14.055,84.5 14.224,84.669 R55_Mezz_A.1@14.224,85.45 v1(14.995,85.45) 14.995,85.479 15.632,86.116 C25_Mezz_A.2@16.142,86.116 ; v1(37.151,88.138) SW3_Mezz_A.5@38.578,88.138
  L4 w0.152: v1(14.995,85.45) 34.463,85.45 v1(37.151,88.138)
TERM_IOD_Mezz_B: C25_Mezz_B.2 R55_Mezz_B.1 R59_Mezz_B.2 SW3_Mezz_B.5 T9_Mezz_B.1 | length 60.9
  L1 w0.152: v1(13.4,44.3) 14.204,44.3 R55_Mezz_B.1@14.224,44.3 ; R55_Mezz_B.1@14.164,44.26 14.734,44.26 15.11,44.636 15.11,44.761 15.487,45.137 C25_Mezz_B.2@15.997,45.137 ; v1(36.8,76.16) SW3_Mezz_B.5@38.55,76.16
  L1 w0.5: T9_Mezz_B.1@12.6,43.35 R59_Mezz_B.2@14.055,43.35 14.095,43.39 14.095,43.634 14.164,43.703 14.164,44.26 R55_Mezz_B.1@14.204,44.3
  L4 w0.152: v1(13.4,44.3) 14.3,45.2 14.3,72.985 18.302,76.987 35.973,76.987 v1(36.8,76.16)
pads on no net: FTG3.1 FTG4.FTG2 FTG5.1 FTG6.FTG2 FTG7.FTG2 FTG8.1 IC3_Mezz_A.5 IC3_Mezz_A.6 IC3_Mezz_A.11 IC3_Mezz_A.12 IC3_Mezz_A.16 IC3_Mezz_A.17 IC3_Mezz_A.22 IC3_Mezz_A.23 IC3_Mezz_A.26 IC3_Mezz_A.27 IC3_Mezz_A.32 IC3_Mezz_A.33 IC3_Mezz_A.37 IC3_Mezz_A.38 IC3_Mezz_A.43 IC3_Mezz_A.44 IC3_Mezz_B.5 IC3_Mezz_B.6 IC3_Mezz_B.11 IC3_Mezz_B.12 IC3_Mezz_B.16 IC3_Mezz_B.17 IC3_Mezz_B.22 IC3_Mezz_B.23 IC3_Mezz_B.26 IC3_Mezz_B.27 IC3_Mezz_B.32 IC3_Mezz_B.33 IC3_Mezz_B.37 IC3_Mezz_B.38 IC3_Mezz_B.43 IC3_Mezz_B.44 LD6_Mezz_A.3 LD6_Mezz_B.3 LD8_Mezz_A.3 LD8_Mezz_B.3 LD10_Mezz_A.3 LD10_Mezz_B.3 LD11_Mezz_A.3 LD11_Mezz_B.3

## Polygon pours and split planes (outlines as drawn)
no net on L1 "NONET_L-01_P-001" (solid, pour order 4): 0.51,99.489 63.49,99.489 63.49,0.51 0.51,0.51
P3V3 on L1 "NONET_L-01_P-001" (solid, remove dead copper, pour order 2): 26.1,55.346 26.1,58.925 22.825,62.2 22.825,71.323 25.025,73.523 25.025,79.721 25.579,80.275 28.55,80.275 28.976,79.849 28.898,58.144 32.255,55.346 32.235,51.97 29.476,51.97
P3V3 on L1 "NONET_L-01_P-001" (solid, remove dead copper, pour order 0): 24.5,11.082 24.5,19.375 22.825,21.05 22.825,30.173 25.025,32.373 25.025,38.571 25.579,39.125 28.55,39.125 29.45,38.225 29.45,32.098 28.225,30.873 28.225,11.082
no net on L4 "NONET_L-01_P-001" (solid, pour order 6): 0.51,99.489 63.49,99.489 63.49,0.51 0.51,0.51
P3V3 on P3 (split plane): 63.49,0.51 0.51,0.51 0.51,7.625 0.51,81.025 0.51,92 0.51,99.489 63.49,99.489
GND on P2 (split plane): 63.49,0.51 0.51,0.51 0.51,7.625 0.51,81.025 0.51,92 0.51,99.489 63.49,99.489

## Keep-outs
L1:
  lines w0.254: 6.302,3.398 6.302,2.816 6.404,2.715 ; 6.404,6.268 6.404,8.382 ; 6.404,91.562 6.404,92.302 ; 6.404,96.591 6.404,97.003 ; 6.429,93.568 6.429,95.168
L4:
  lines w0.254: 6.404,2.715 6.404,8.382 ; 6.404,91.562 6.404,97.003
Keep-Out Layer:
  drawing of 9341 lines, arcs and shapes, not listed

## Silkscreen, mask and mechanical layers (free items; w line width, h text height)
Top Overlay:
  drawing of 2439 lines, arcs and shapes, not listed
  text "G" at 8.563,93.822 h1.02
  text "G" at 11.154,89.55 h1.02
  text "TERM IO1" at 48.67,86.741 h1.5
  text "TERM IO3" at 48.67,84.328 h1.5
  text "IO1" at 5.94,82.5 h1.5 r90
  text "TERM IO5" at 48.67,81.89 h1.5
  text "TERM IO7" at 48.67,79.075 h1.5
  text "TERM IO9" at 48.67,75.023 h1.5
  text "TERM IO11" at 47.787,72.629 h1.5
  text "IO3" at 5.563,72.311 h1.5 r90
  text "TERM IO13" at 47.787,69.915 h1.5
  text "TERM IO15" at 47.787,67.612 h1.5
  text "DIR0" at 35.973,64.052 h1
  text "DIR1" at 44.27,63.971 h1
  text "IO5" at 5.554,62.187 h1.5 r90
  text "DIR2" at 44.298,61.421 h1
  text "BUF_ENn" at 31.984,61.33 h1
  text "DIR3" at 35.973,58.925 h1
  text "IO1" at 36.921,56.695 h1
  text "IO3" at 44.148,53.955 h1
  text "IO7" at 5.807,51.597 h1.5 r90
  text "IO5" at 36.63,48.976 h1
  text "IO7" at 44.298,46.025 h1
  text "IO9" at 36.551,41.377 h1
  text "IO9" at 5.875,40.506 h1.5 r90
  text "IO11" at 44.298,38.527 h1
  text "IO13" at 36.197,33.731 h1
  text "IO15" at 44.298,30.919 h1
  text "IO11" at 5.657,30.414 h1.5 r90
  text "IO13" at 5.678,20.181 h1.5 r90
  text "MCX DIO16 / Mezzanine v1.2" at 42.382,16.156 h1.5
  text "WUT ISE 2022" at 46.33,14.072 h1.02
  text "IO15" at 5.783,9.563 h1.5 r90
  text "G" at 8.4,7.018 h1.02
Bottom Paste:
  drawing of 164 lines, arcs and shapes, not listed
Mechanical 1:
  lines w0.1: 0,92 0,92 ; 0,92 0,81.025 0,7.625 0,5.625 0,0 64,0 64,100 0,100 0,92
Mechanical 2:
  lines w0.1: -2.544,-14.238 -2.544,108.444
  lines w0.2: -9.976,22.75 1.7,22.75 ; -7.8,85.25 1.7,85.25 ; -7.75,64.75 1.25,64.75 ; -7.25,12.493 1.7,12.493 ; -7.25,33 1.7,33 ; -6.857,54.5 1.25,54.5 ; -6.5,43.25 1.7,43.25 ; -6.25,75 1.7,75 ; -5.75,17.25 -4.775,17.25 ; -5.75,27.5 -4.775,27.5 ; -5.75,37.75 -4.775,37.75 ; -5.75,48 -4.775,48 ; -5.75,59.25 -4.775,59.25 ; -5.75,69.5 -4.775,69.5 ; -5.75,79.75 -4.775,79.75 ; -5.75,90 -4.775,90 ; -5.05,16.575 -5.05,18.15 ; -5.05,17.25 -4.5,17.25 ; -5.05,26.825 -5.05,28.4 ; -5.05,27.5 -4.5,27.5 ; -5.05,37.075 -5.05,38.65 ; -5.05,37.75 -4.5,37.75 ; -5.05,47.325 -5.05,48.9 ; -5.05,48 -4.5,48 ; -5.05,58.575 -5.05,60.15 ; -5.05,59.25 -4.5,59.25 ; -5.05,68.825 -5.05,70.4 ; -5.05,69.5 -4.5,69.5 ; -5.05,79.075 -5.05,80.65 ; -5.05,79.75 -4.5,79.75 ; -5.05,89.325 -5.05,90.9 ; -5.05,90 -4.5,90 ; 2.856,5.512 3.831,5.512 ; 2.856,94.412 3.831,94.412 ; 3.5,22.75 4.475,22.75 ; 3.5,33 4.475,33 ; 3.5,43.25 4.475,43.25 ; 3.5,54.5 4.475,54.5 ; 3.5,64.75 4.475,64.75 ; 3.5,75 4.475,75 ; 3.5,85.25 4.475,85.25 ; 3.507,12.5 4.482,12.5 ; 3.556,4.837 3.556,6.412 ; 3.556,5.512 4.106,5.512 ; 3.556,93.737 3.556,95.312 ; 3.556,94.412 4.106,94.412 ; 4.2,22.075 4.2,23.65 ; 4.2,22.75 4.75,22.75 ; 4.2,32.325 4.2,33.9 ; 4.2,33 4.75,33 4.75,33 ; 4.2,42.575 4.2,44.15 ; 4.2,43.25 4.75,43.25 ; 4.2,53.825 4.2,55.4 ; 4.2,54.5 4.75,54.5 ; 4.2,64.075 4.2,65.65 ; 4.2,64.75 4.75,64.75 4.75,64.75 ; 4.2,74.325 4.2,75.9 ; 4.2,75 4.75,75 ; 4.2,84.575 4.2,86.15 ; 4.2,85.25 4.75,85.25 ; 4.207,11.825 4.207,13.4 ; 4.207,12.5 4.757,12.5 ; 27.036,22.614 28.011,22.614 ; 27.736,21.939 27.736,23.514 ; 27.736,22.614 28.286,22.614 ; -4.5,17.25 -4.5,17.25 ; -4.5,27.5 -4.5,27.5 ; -4.5,37.75 -4.5,37.75 ; -4.5,48 -4.5,48 ; -4.5,59.25 -4.5,59.25 ; -4.5,69.5 -4.5,69.5 ; -4.5,79.75 -4.5,79.75 ; -4.5,90 -4.5,90 ; 4.106,5.512 4.106,5.512 ; 4.106,94.412 4.106,94.412 ; 4.75,22.75 4.75,22.75 ; 4.75,43.25 4.75,43.25 ; 4.75,54.5 4.75,54.5 ; 4.75,75 4.75,75 ; 4.75,85.25 4.75,85.25 ; 4.757,12.5 4.757,12.5 ; 28.286,22.614 28.286,22.614
Mechanical 13:
  lines w0.2: -5.05,-14.25 -5.05,98.225

## Text inside footprints (layer, text, board x,y; h text height)
J7: Mechanical 14 "30" at 38.809,63.891 h1.2 r270; Bottom Overlay "30" at 38.809,63.891 h1.2 r270
SW3_Mezz_A: Top Overlay "4" at 45.695,87.757 h1 r90; Top Overlay "3" at 45.695,85.217 h1 r90; Top Overlay "ON" at 41.25,79.629 h1 r90; Top Overlay "2" at 45.695,82.677 h1 r90; Top Overlay "1" at 45.695,80.391 h1 r90; Mechanical 14 "4" at 45.695,87.757 h1 r90; Mechanical 14 "3" at 45.695,85.217 h1 r90; Mechanical 14 "ON" at 41.25,79.629 h1 r90; Mechanical 14 "2" at 45.695,82.677 h1 r90; Mechanical 14 "1" at 45.695,80.391 h1 r90
SW3_Mezz_B: Top Overlay "4" at 45.667,75.779 h1 r90; Top Overlay "3" at 45.667,73.239 h1 r90; Top Overlay "ON" at 41.222,67.651 h1 r90; Top Overlay "2" at 45.667,70.699 h1 r90; Top Overlay "1" at 45.667,68.413 h1 r90; Mechanical 14 "4" at 45.667,75.779 h1 r90; Mechanical 14 "3" at 45.667,73.239 h1 r90; Mechanical 14 "ON" at 41.222,67.651 h1 r90; Mechanical 14 "2" at 45.667,70.699 h1 r90; Mechanical 14 "1" at 45.667,68.413 h1 r90